# KiCad board IOT-Mess-Sens-Panelized.kicad_pcb
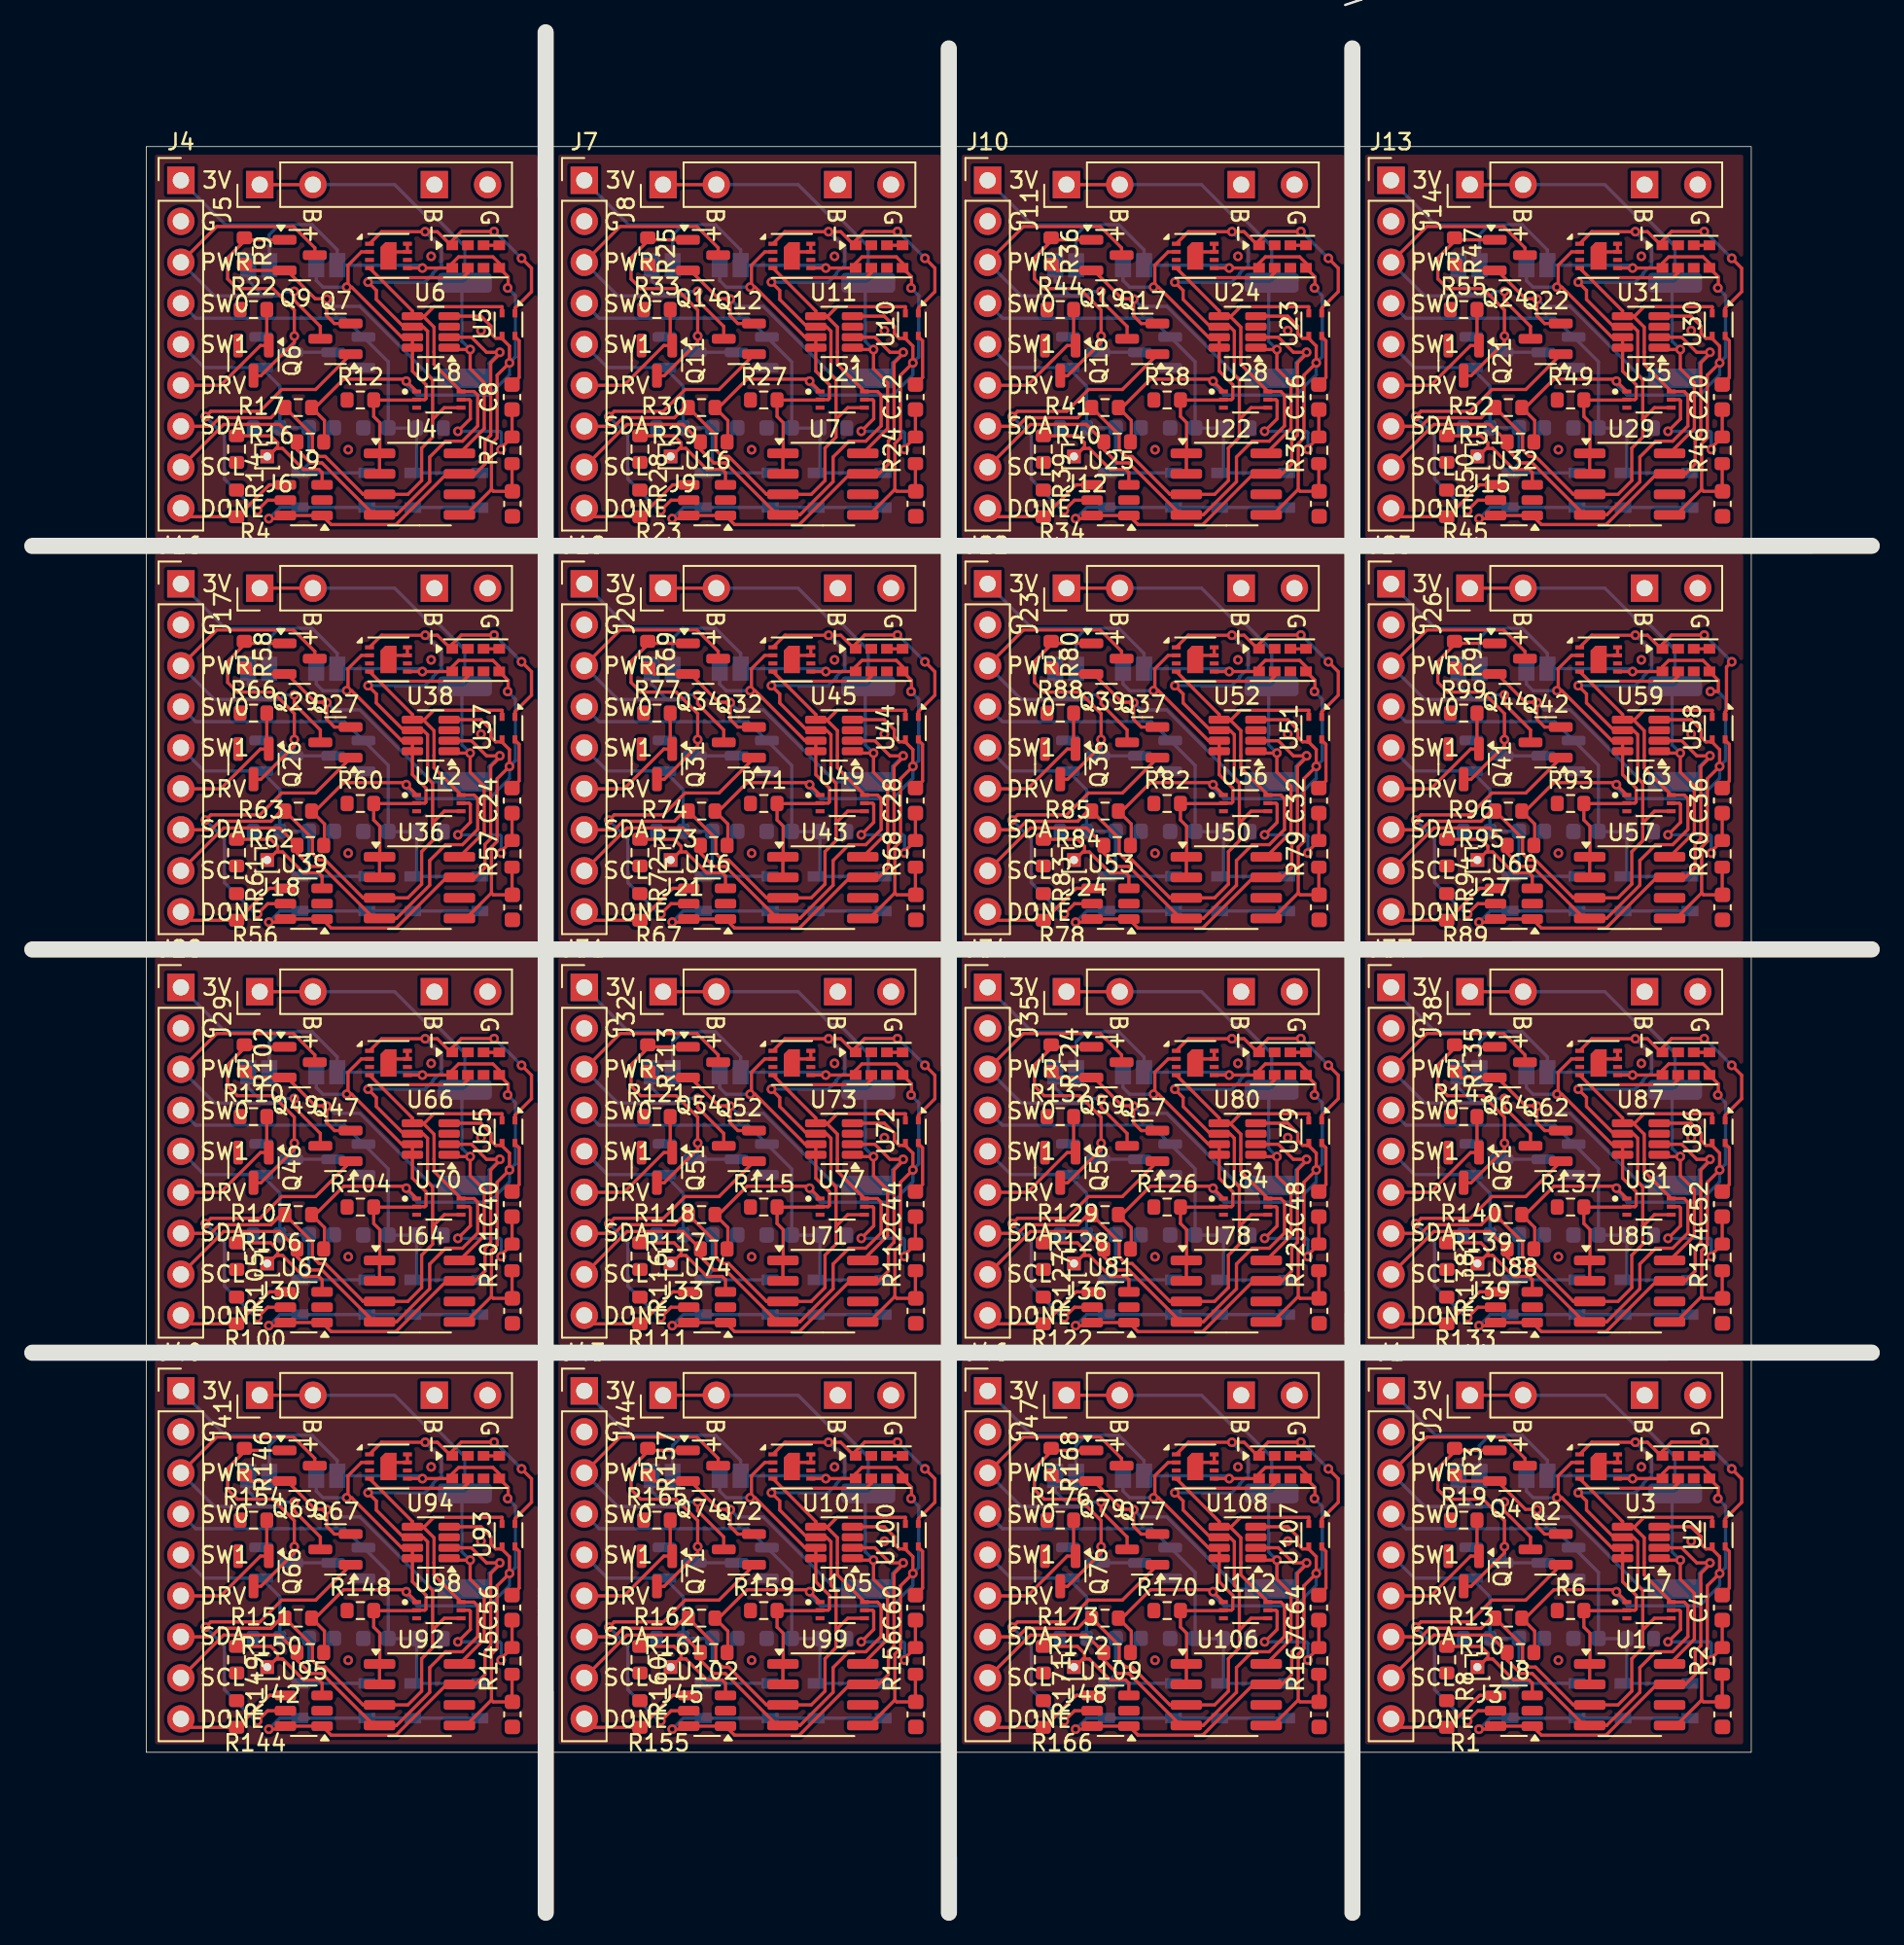
[diagram p0: board, top side]
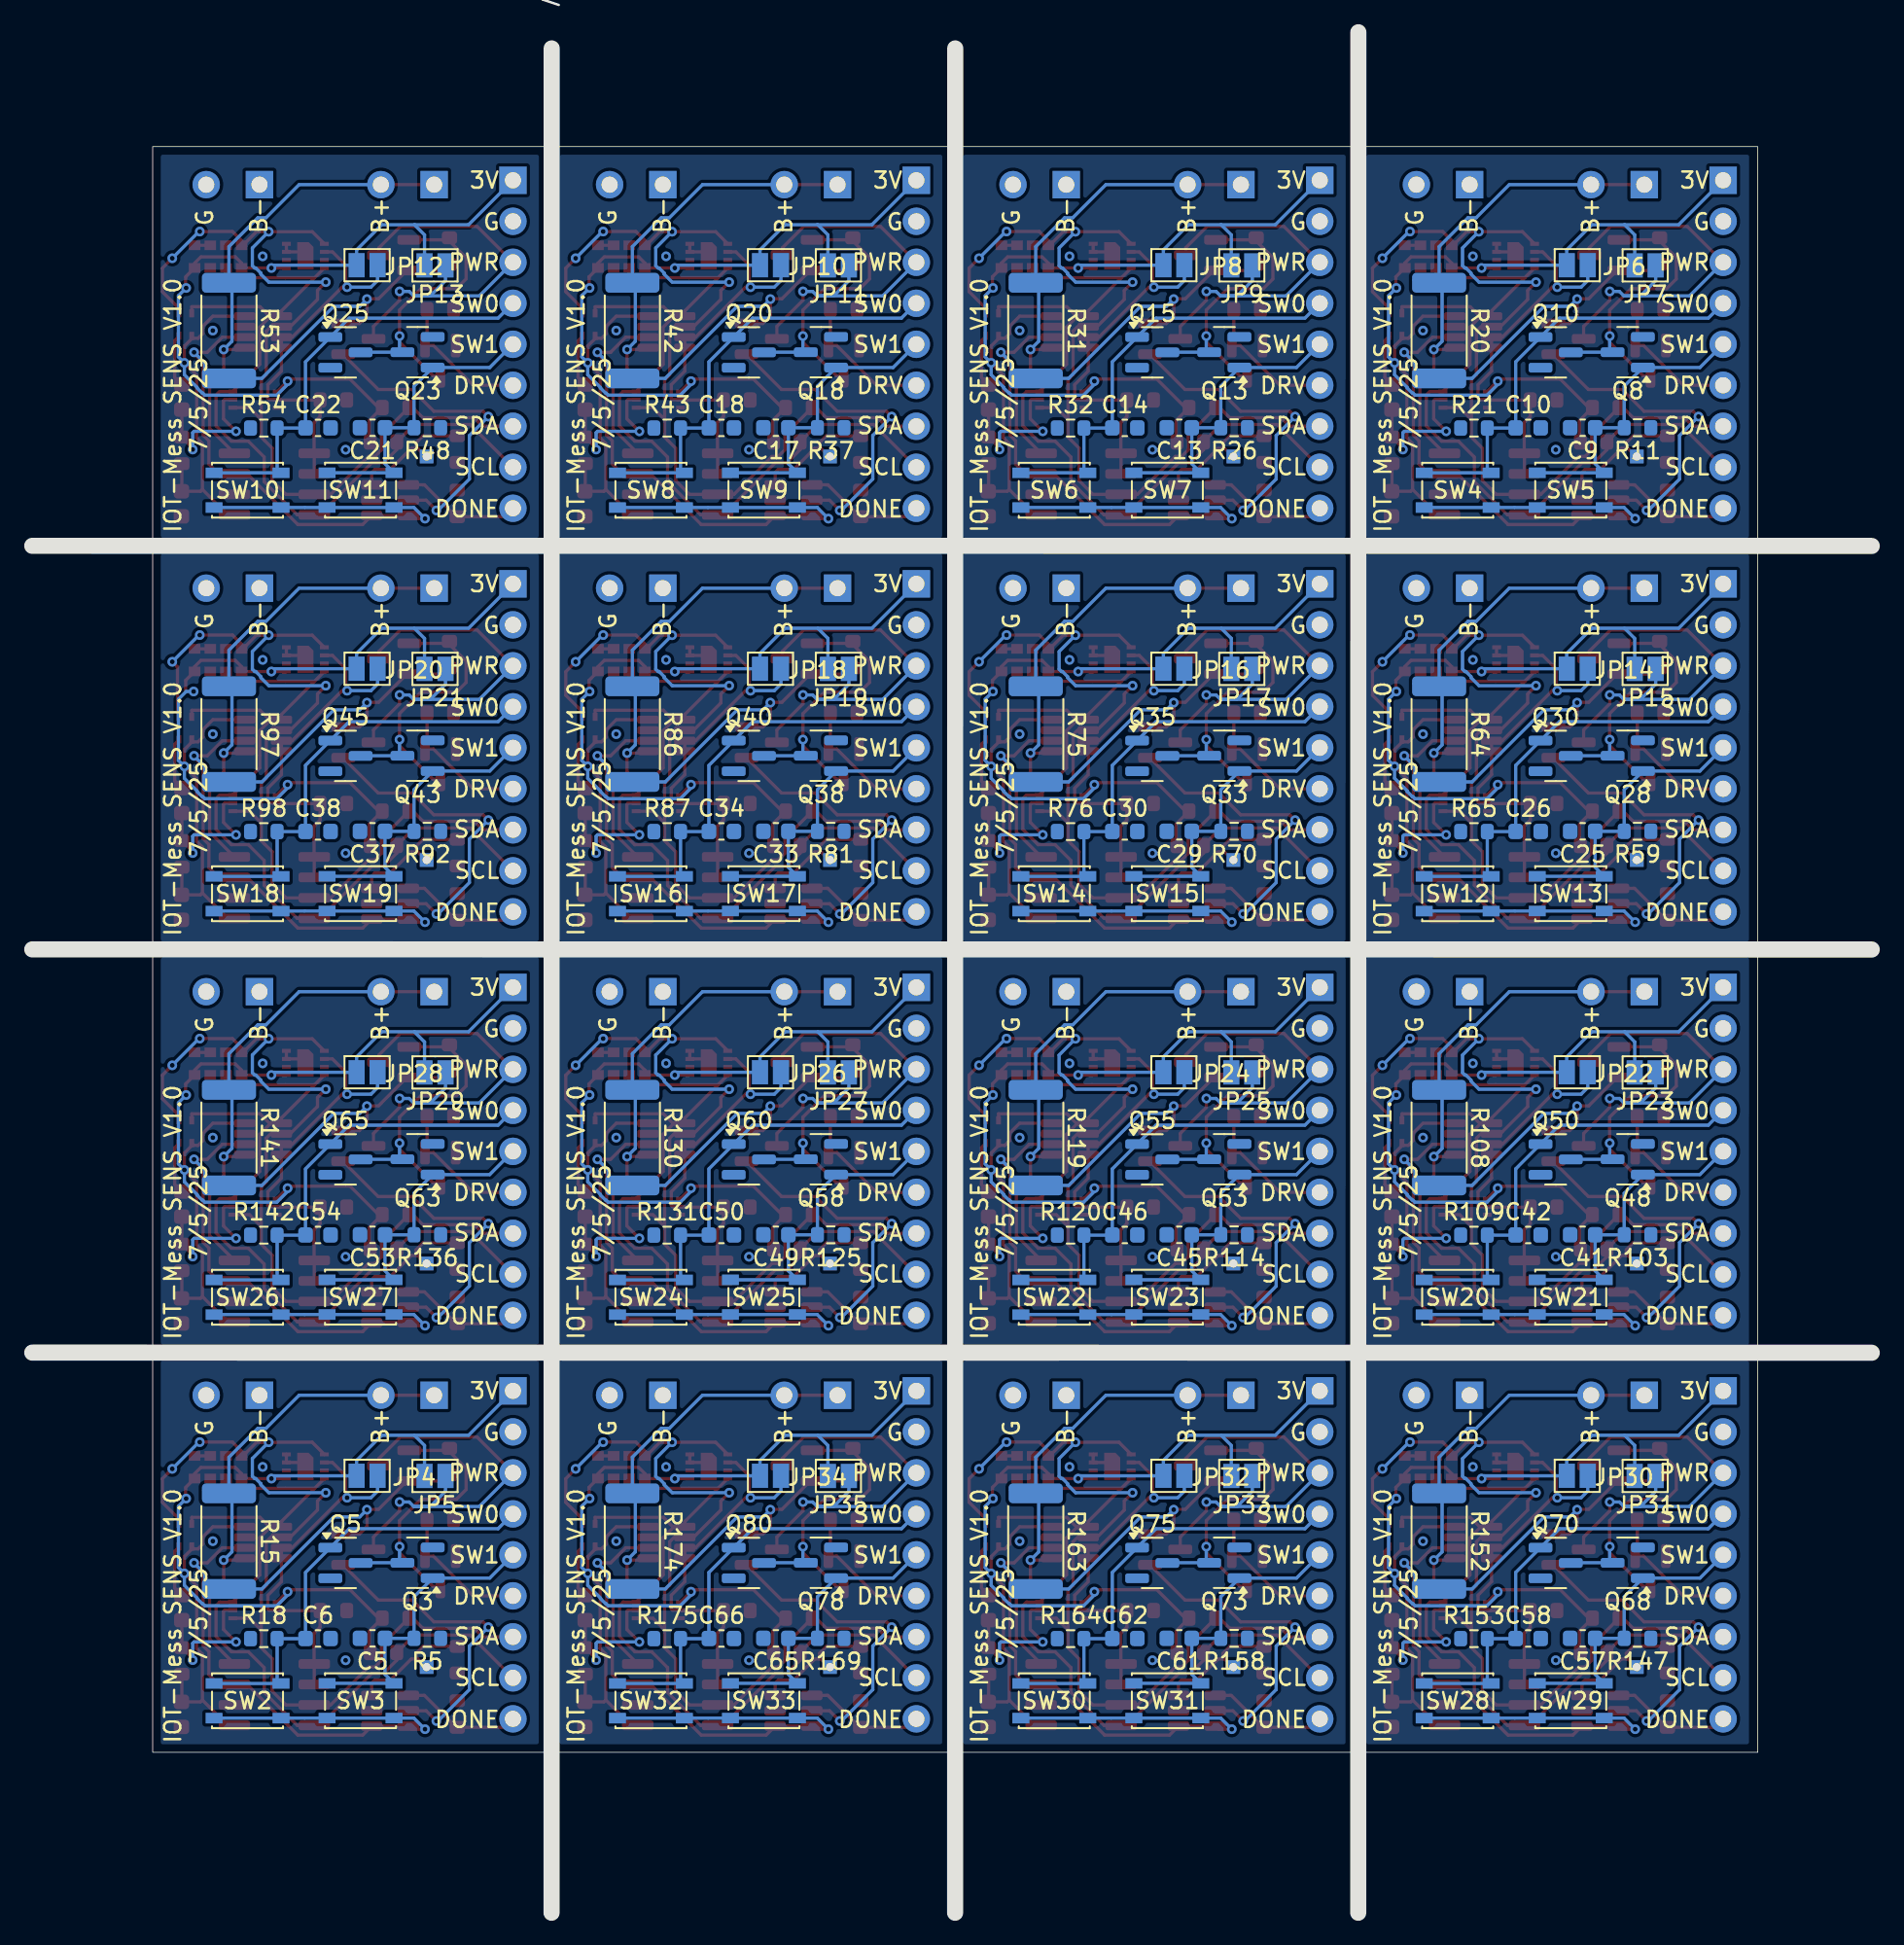
[diagram p1: board, bottom side, seen from below]

Outline 114 x 116.5 mm; copper layers: Top, Bottom. Coordinates in mm from the lower left corner of the outline.
Outline path: rectangle 7.06,109.42 106.54,9.94 ; 0,84.68 114,84.68 ; 0,59.67 114,59.68 ; 0,34.69 114,34.7 ; 31.82,116.5 31.82,0 ; 56.8,115.5 56.81,0 ; 81.81,115.5 81.82,0

## Placement (name value [footprint] x y rotation side)
C4  0.1u  [C_0603_1608Metric]  104.73 18.9 90 top
C5  C  [C_0603_1608Metric]  92.91 17 0 bottom
C6  C  [C_0603_1608Metric]  96.29 16.99 180 bottom
C7  1u  [C_0603_1608Metric]  104.75 12.29 270 top
C8  0.1u  [C_0603_1608Metric]  29.73 93.9 90 top
C9  C  [C_0603_1608Metric]  17.91 92 0 bottom
C10  C  [C_0603_1608Metric]  21.29 91.99 180 bottom
C11  1u  [C_0603_1608Metric]  29.75 87.29 270 top
C12  0.1u  [C_0603_1608Metric]  54.73 93.9 90 top
C13  C  [C_0603_1608Metric]  42.91 92 0 bottom
C14  C  [C_0603_1608Metric]  46.29 91.99 180 bottom
C15  1u  [C_0603_1608Metric]  54.75 87.29 270 top
C16  0.1u  [C_0603_1608Metric]  79.73 93.9 90 top
C17  C  [C_0603_1608Metric]  67.91 92 0 bottom
C18  C  [C_0603_1608Metric]  71.29 91.99 180 bottom
C19  1u  [C_0603_1608Metric]  79.75 87.29 270 top
C20  0.1u  [C_0603_1608Metric]  104.73 93.9 90 top
C21  C  [C_0603_1608Metric]  92.91 92 0 bottom
C22  C  [C_0603_1608Metric]  96.29 91.99 180 bottom
C23  1u  [C_0603_1608Metric]  104.75 87.29 270 top
C24  0.1u  [C_0603_1608Metric]  29.73 68.9 90 top
C25  C  [C_0603_1608Metric]  17.91 67 0 bottom
C26  C  [C_0603_1608Metric]  21.29 66.99 180 bottom
C27  1u  [C_0603_1608Metric]  29.75 62.29 270 top
C28  0.1u  [C_0603_1608Metric]  54.73 68.9 90 top
C29  C  [C_0603_1608Metric]  42.91 67 0 bottom
C30  C  [C_0603_1608Metric]  46.29 66.99 180 bottom
C31  1u  [C_0603_1608Metric]  54.75 62.29 270 top
C32  0.1u  [C_0603_1608Metric]  79.73 68.9 90 top
C33  C  [C_0603_1608Metric]  67.91 67 0 bottom
C34  C  [C_0603_1608Metric]  71.29 66.99 180 bottom
C35  1u  [C_0603_1608Metric]  79.75 62.29 270 top
C36  0.1u  [C_0603_1608Metric]  104.73 68.9 90 top
C37  C  [C_0603_1608Metric]  92.91 67 0 bottom
C38  C  [C_0603_1608Metric]  96.29 66.99 180 bottom
C39  1u  [C_0603_1608Metric]  104.75 62.29 270 top
C40  0.1u  [C_0603_1608Metric]  29.73 43.9 90 top
C41  C  [C_0603_1608Metric]  17.91 42 0 bottom
C42  C  [C_0603_1608Metric]  21.29 41.99 180 bottom
C43  1u  [C_0603_1608Metric]  29.75 37.29 270 top
C44  0.1u  [C_0603_1608Metric]  54.73 43.9 90 top
C45  C  [C_0603_1608Metric]  42.91 42 0 bottom
C46  C  [C_0603_1608Metric]  46.29 41.99 180 bottom
C47  1u  [C_0603_1608Metric]  54.75 37.29 270 top
C48  0.1u  [C_0603_1608Metric]  79.73 43.9 90 top
C49  C  [C_0603_1608Metric]  67.91 42 0 bottom
C50  C  [C_0603_1608Metric]  71.29 41.99 180 bottom
C51  1u  [C_0603_1608Metric]  79.75 37.29 270 top
C52  0.1u  [C_0603_1608Metric]  104.73 43.9 90 top
C53  C  [C_0603_1608Metric]  92.91 42 0 bottom
C54  C  [C_0603_1608Metric]  96.29 41.99 180 bottom
C55  1u  [C_0603_1608Metric]  104.75 37.29 270 top
C56  0.1u  [C_0603_1608Metric]  29.73 18.9 90 top
C57  C  [C_0603_1608Metric]  17.91 17 0 bottom
C58  C  [C_0603_1608Metric]  21.29 16.99 180 bottom
C59  1u  [C_0603_1608Metric]  29.75 12.29 270 top
C60  0.1u  [C_0603_1608Metric]  54.73 18.9 90 top
C61  C  [C_0603_1608Metric]  42.91 17 0 bottom
C62  C  [C_0603_1608Metric]  46.29 16.99 180 bottom
C63  1u  [C_0603_1608Metric]  54.75 12.29 270 top
C64  0.1u  [C_0603_1608Metric]  79.73 18.9 90 top
C65  C  [C_0603_1608Metric]  67.91 17 0 bottom
C66  C  [C_0603_1608Metric]  71.29 16.99 180 bottom
C67  1u  [C_0603_1608Metric]  79.75 12.29 270 top
J1  Conn_01x09_Pin  [PinHeader_1x09_P2.54mm_Vertical]  84.21 32.33 0 top
J2  TP_4056  [TP_Charger]  89.09 32.06 90 top
J3  R_DELAY  [PinHeader_1x01_P1.00mm_Vertical]  89.56 15.22 0 top
J4  Conn_01x09_Pin  [PinHeader_1x09_P2.54mm_Vertical]  9.21 107.33 0 top
J5  TP_4056  [TP_Charger]  14.09 107.06 90 top
J6  R_DELAY  [PinHeader_1x01_P1.00mm_Vertical]  14.56 90.22 0 top
J7  Conn_01x09_Pin  [PinHeader_1x09_P2.54mm_Vertical]  34.21 107.33 0 top
J8  TP_4056  [TP_Charger]  39.09 107.06 90 top
J9  R_DELAY  [PinHeader_1x01_P1.00mm_Vertical]  39.56 90.22 0 top
J10  Conn_01x09_Pin  [PinHeader_1x09_P2.54mm_Vertical]  59.21 107.33 0 top
J11  TP_4056  [TP_Charger]  64.09 107.06 90 top
J12  R_DELAY  [PinHeader_1x01_P1.00mm_Vertical]  64.56 90.22 0 top
J13  Conn_01x09_Pin  [PinHeader_1x09_P2.54mm_Vertical]  84.21 107.33 0 top
J14  TP_4056  [TP_Charger]  89.09 107.06 90 top
J15  R_DELAY  [PinHeader_1x01_P1.00mm_Vertical]  89.56 90.22 0 top
J16  Conn_01x09_Pin  [PinHeader_1x09_P2.54mm_Vertical]  9.21 82.33 0 top
J17  TP_4056  [TP_Charger]  14.09 82.06 90 top
J18  R_DELAY  [PinHeader_1x01_P1.00mm_Vertical]  14.56 65.22 0 top
J19  Conn_01x09_Pin  [PinHeader_1x09_P2.54mm_Vertical]  34.21 82.33 0 top
J20  TP_4056  [TP_Charger]  39.09 82.06 90 top
J21  R_DELAY  [PinHeader_1x01_P1.00mm_Vertical]  39.56 65.22 0 top
J22  Conn_01x09_Pin  [PinHeader_1x09_P2.54mm_Vertical]  59.21 82.33 0 top
J23  TP_4056  [TP_Charger]  64.09 82.06 90 top
J24  R_DELAY  [PinHeader_1x01_P1.00mm_Vertical]  64.56 65.22 0 top
J25  Conn_01x09_Pin  [PinHeader_1x09_P2.54mm_Vertical]  84.21 82.33 0 top
J26  TP_4056  [TP_Charger]  89.09 82.06 90 top
J27  R_DELAY  [PinHeader_1x01_P1.00mm_Vertical]  89.56 65.22 0 top
J28  Conn_01x09_Pin  [PinHeader_1x09_P2.54mm_Vertical]  9.21 57.33 0 top
J29  TP_4056  [TP_Charger]  14.09 57.06 90 top
J30  R_DELAY  [PinHeader_1x01_P1.00mm_Vertical]  14.56 40.22 0 top
J31  Conn_01x09_Pin  [PinHeader_1x09_P2.54mm_Vertical]  34.21 57.33 0 top
J32  TP_4056  [TP_Charger]  39.09 57.06 90 top
J33  R_DELAY  [PinHeader_1x01_P1.00mm_Vertical]  39.56 40.22 0 top
J34  Conn_01x09_Pin  [PinHeader_1x09_P2.54mm_Vertical]  59.21 57.33 0 top
J35  TP_4056  [TP_Charger]  64.09 57.06 90 top
J36  R_DELAY  [PinHeader_1x01_P1.00mm_Vertical]  64.56 40.22 0 top
J37  Conn_01x09_Pin  [PinHeader_1x09_P2.54mm_Vertical]  84.21 57.33 0 top
J38  TP_4056  [TP_Charger]  89.09 57.06 90 top
J39  R_DELAY  [PinHeader_1x01_P1.00mm_Vertical]  89.56 40.22 0 top
J40  Conn_01x09_Pin  [PinHeader_1x09_P2.54mm_Vertical]  9.21 32.33 0 top
J41  TP_4056  [TP_Charger]  14.09 32.06 90 top
J42  R_DELAY  [PinHeader_1x01_P1.00mm_Vertical]  14.56 15.22 0 top
J43  Conn_01x09_Pin  [PinHeader_1x09_P2.54mm_Vertical]  34.21 32.33 0 top
J44  TP_4056  [TP_Charger]  39.09 32.06 90 top
J45  R_DELAY  [PinHeader_1x01_P1.00mm_Vertical]  39.56 15.22 0 top
J46  Conn_01x09_Pin  [PinHeader_1x09_P2.54mm_Vertical]  59.21 32.33 0 top
J47  TP_4056  [TP_Charger]  64.09 32.06 90 top
J48  R_DELAY  [PinHeader_1x01_P1.00mm_Vertical]  64.56 15.22 0 top
JP4  Jp_2  [SolderJumper-2_P1.3mm_Open_Pad1.0x1.5mm#2]  93.25 27.07 0 bottom
JP5  Jp_2  [SolderJumper-2_P1.3mm_Open_Pad1.0x1.5mm]  89.04 27.06 0 bottom
JP6  Jp_2  [SolderJumper-2_P1.3mm_Open_Pad1.0x1.5mm#2]  18.25 102.07 0 bottom
JP7  Jp_2  [SolderJumper-2_P1.3mm_Open_Pad1.0x1.5mm]  14.04 102.06 0 bottom
JP8  Jp_2  [SolderJumper-2_P1.3mm_Open_Pad1.0x1.5mm#2]  43.25 102.07 0 bottom
JP9  Jp_2  [SolderJumper-2_P1.3mm_Open_Pad1.0x1.5mm]  39.04 102.06 0 bottom
JP10  Jp_2  [SolderJumper-2_P1.3mm_Open_Pad1.0x1.5mm#2]  68.25 102.07 0 bottom
JP11  Jp_2  [SolderJumper-2_P1.3mm_Open_Pad1.0x1.5mm]  64.04 102.06 0 bottom
JP12  Jp_2  [SolderJumper-2_P1.3mm_Open_Pad1.0x1.5mm#2]  93.25 102.07 0 bottom
JP13  Jp_2  [SolderJumper-2_P1.3mm_Open_Pad1.0x1.5mm]  89.04 102.06 0 bottom
JP14  Jp_2  [SolderJumper-2_P1.3mm_Open_Pad1.0x1.5mm#2]  18.25 77.07 0 bottom
JP15  Jp_2  [SolderJumper-2_P1.3mm_Open_Pad1.0x1.5mm]  14.04 77.06 0 bottom
JP16  Jp_2  [SolderJumper-2_P1.3mm_Open_Pad1.0x1.5mm#2]  43.25 77.07 0 bottom
JP17  Jp_2  [SolderJumper-2_P1.3mm_Open_Pad1.0x1.5mm]  39.04 77.06 0 bottom
JP18  Jp_2  [SolderJumper-2_P1.3mm_Open_Pad1.0x1.5mm#2]  68.25 77.07 0 bottom
JP19  Jp_2  [SolderJumper-2_P1.3mm_Open_Pad1.0x1.5mm]  64.04 77.06 0 bottom
JP20  Jp_2  [SolderJumper-2_P1.3mm_Open_Pad1.0x1.5mm#2]  93.25 77.07 0 bottom
JP21  Jp_2  [SolderJumper-2_P1.3mm_Open_Pad1.0x1.5mm]  89.04 77.06 0 bottom
JP22  Jp_2  [SolderJumper-2_P1.3mm_Open_Pad1.0x1.5mm#2]  18.25 52.07 0 bottom
JP23  Jp_2  [SolderJumper-2_P1.3mm_Open_Pad1.0x1.5mm]  14.04 52.06 0 bottom
JP24  Jp_2  [SolderJumper-2_P1.3mm_Open_Pad1.0x1.5mm#2]  43.25 52.07 0 bottom
JP25  Jp_2  [SolderJumper-2_P1.3mm_Open_Pad1.0x1.5mm]  39.04 52.06 0 bottom
JP26  Jp_2  [SolderJumper-2_P1.3mm_Open_Pad1.0x1.5mm#2]  68.25 52.07 0 bottom
JP27  Jp_2  [SolderJumper-2_P1.3mm_Open_Pad1.0x1.5mm]  64.04 52.06 0 bottom
JP28  Jp_2  [SolderJumper-2_P1.3mm_Open_Pad1.0x1.5mm#2]  93.25 52.07 0 bottom
JP29  Jp_2  [SolderJumper-2_P1.3mm_Open_Pad1.0x1.5mm]  89.04 52.06 0 bottom
JP30  Jp_2  [SolderJumper-2_P1.3mm_Open_Pad1.0x1.5mm#2]  18.25 27.07 0 bottom
JP31  Jp_2  [SolderJumper-2_P1.3mm_Open_Pad1.0x1.5mm]  14.04 27.06 0 bottom
JP32  Jp_2  [SolderJumper-2_P1.3mm_Open_Pad1.0x1.5mm#2]  43.25 27.07 0 bottom
JP33  Jp_2  [SolderJumper-2_P1.3mm_Open_Pad1.0x1.5mm]  39.04 27.06 0 bottom
JP34  Jp_2  [SolderJumper-2_P1.3mm_Open_Pad1.0x1.5mm#2]  68.25 27.07 0 bottom
JP35  Jp_2  [SolderJumper-2_P1.3mm_Open_Pad1.0x1.5mm]  64.04 27.06 0 bottom
Q1  AO3400A  [SOT-23]  88.71 21.16 270 top
Q2  AO3401A  [SOT-23]  93.79 22.51 180 top
Q3  AO3400A  [SOT-23]  90.12 21.68 0 bottom
Q4  AO3401A  [SOT-23]  91.57 27.69 0 top
Q5  AO3400A  [SOT-23]  94.59 21.67 180 bottom
Q6  AO3400A  [SOT-23]  13.71 96.16 270 top
Q7  AO3401A  [SOT-23]  18.79 97.51 180 top
Q8  AO3400A  [SOT-23]  15.12 96.68 0 bottom
Q9  AO3401A  [SOT-23]  16.57 102.69 0 top
Q10  AO3400A  [SOT-23]  19.59 96.67 180 bottom
Q11  AO3400A  [SOT-23]  38.71 96.16 270 top
Q12  AO3401A  [SOT-23]  43.79 97.51 180 top
Q13  AO3400A  [SOT-23]  40.12 96.68 0 bottom
Q14  AO3401A  [SOT-23]  41.57 102.69 0 top
Q15  AO3400A  [SOT-23]  44.59 96.67 180 bottom
Q16  AO3400A  [SOT-23]  63.71 96.16 270 top
Q17  AO3401A  [SOT-23]  68.79 97.51 180 top
Q18  AO3400A  [SOT-23]  65.12 96.68 0 bottom
Q19  AO3401A  [SOT-23]  66.57 102.69 0 top
Q20  AO3400A  [SOT-23]  69.59 96.67 180 bottom
Q21  AO3400A  [SOT-23]  88.71 96.16 270 top
Q22  AO3401A  [SOT-23]  93.79 97.51 180 top
Q23  AO3400A  [SOT-23]  90.12 96.68 0 bottom
Q24  AO3401A  [SOT-23]  91.57 102.69 0 top
Q25  AO3400A  [SOT-23]  94.59 96.67 180 bottom
Q26  AO3400A  [SOT-23]  13.71 71.16 270 top
Q27  AO3401A  [SOT-23]  18.79 72.51 180 top
Q28  AO3400A  [SOT-23]  15.12 71.68 0 bottom
Q29  AO3401A  [SOT-23]  16.57 77.69 0 top
Q30  AO3400A  [SOT-23]  19.59 71.67 180 bottom
Q31  AO3400A  [SOT-23]  38.71 71.16 270 top
Q32  AO3401A  [SOT-23]  43.79 72.51 180 top
Q33  AO3400A  [SOT-23]  40.12 71.68 0 bottom
Q34  AO3401A  [SOT-23]  41.57 77.69 0 top
Q35  AO3400A  [SOT-23]  44.59 71.67 180 bottom
Q36  AO3400A  [SOT-23]  63.71 71.16 270 top
Q37  AO3401A  [SOT-23]  68.79 72.51 180 top
Q38  AO3400A  [SOT-23]  65.12 71.68 0 bottom
Q39  AO3401A  [SOT-23]  66.57 77.69 0 top
Q40  AO3400A  [SOT-23]  69.59 71.67 180 bottom
Q41  AO3400A  [SOT-23]  88.71 71.16 270 top
Q42  AO3401A  [SOT-23]  93.79 72.51 180 top
Q43  AO3400A  [SOT-23]  90.12 71.68 0 bottom
Q44  AO3401A  [SOT-23]  91.57 77.69 0 top
Q45  AO3400A  [SOT-23]  94.59 71.67 180 bottom
Q46  AO3400A  [SOT-23]  13.71 46.16 270 top
Q47  AO3401A  [SOT-23]  18.79 47.51 180 top
Q48  AO3400A  [SOT-23]  15.12 46.68 0 bottom
Q49  AO3401A  [SOT-23]  16.57 52.69 0 top
Q50  AO3400A  [SOT-23]  19.59 46.67 180 bottom
Q51  AO3400A  [SOT-23]  38.71 46.16 270 top
Q52  AO3401A  [SOT-23]  43.79 47.51 180 top
Q53  AO3400A  [SOT-23]  40.12 46.68 0 bottom
Q54  AO3401A  [SOT-23]  41.57 52.69 0 top
Q55  AO3400A  [SOT-23]  44.59 46.67 180 bottom
Q56  AO3400A  [SOT-23]  63.71 46.16 270 top
Q57  AO3401A  [SOT-23]  68.79 47.51 180 top
Q58  AO3400A  [SOT-23]  65.12 46.68 0 bottom